# Altium PCB NUCLEOG431RB-Custom-IN-A2212.PcbDoc (part 3 of 5)
Units mm, origin at the board's own origin, x right, y up, seen from the top; angles counter-clockwise.
Board outline 170 x 108 mm, 4 copper layers (Top Layer, POWER1, POWER2, Bottom Layer), stack 1.746 mm thick; 529 components, 254 nets, 1242 pads, 583 vias.
Unrouted connection lines stored in the file: 26.
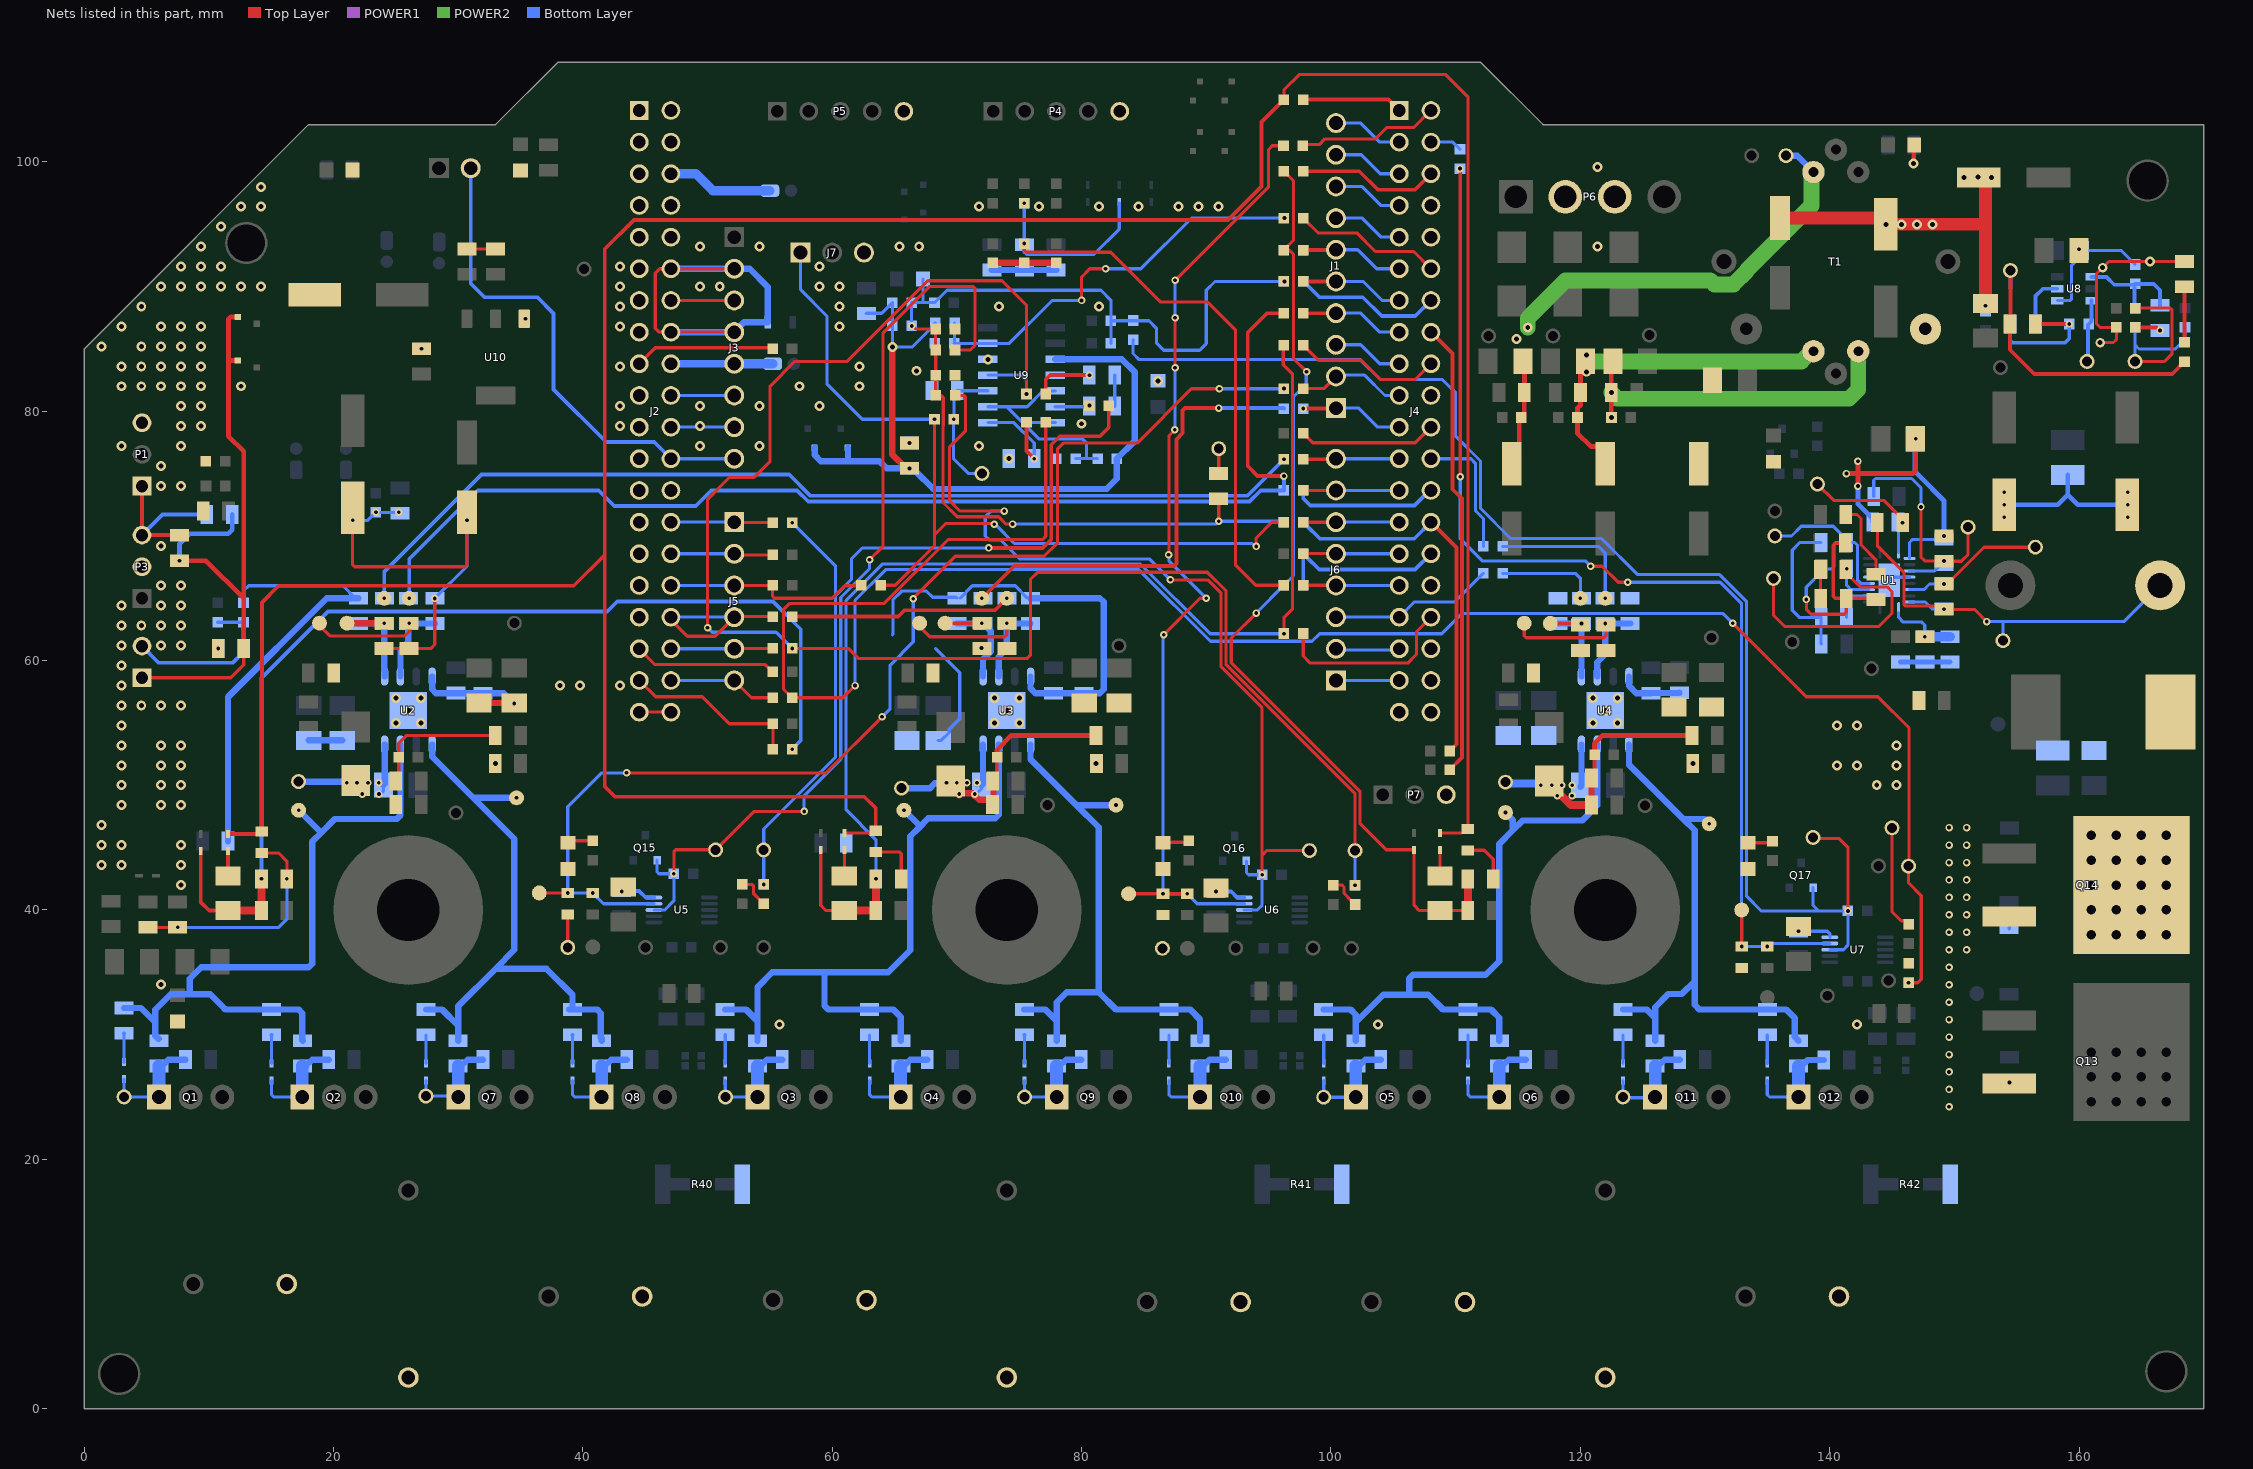
[diagram p5: the nets of this part, all layers, seen from the top]

## Via types
v1: diameter 0.6, hole 0.3, Top Layer to Bottom Layer, tented both sides, 389 vias
v2: diameter 0.8, hole 0.4, Top Layer to Bottom Layer, tented both sides, 190 vias
v3: diameter 1, hole 0.5, Top Layer to Bottom Layer, tented both sides, 2 vias
v4: diameter 0.762, hole 0.406, Top Layer to Bottom Layer, tented both sides, 2 vias

## Nets (pads, with @x,y where several pads share a name; then routed paths per layer and width w, separated by ;. In a path a pad name is that pad's centre, name@x,y a point inside that pad or via, vN(x,y) a via of type N, cw(c..) or ccw(c..) an arc to the next point about the centre after c; other vN are vias at no path point) (continued)
A_GND: C4.1 C5.1 C6.1 C7.1 C8.1 C9.1 C10.1 C11.1 C12.1 C13.2 C14.2 C15.2 C16.2 C17.2 C18.2 C19.2 C20.2 C21.1 C22.1 C24.1 C26.2 C27.1 C28.1 C29.2 C30.2 C31.2 C32.2 C33.2 C34.2 C42.1 C43.1 C44.1 C45.1 C46.1 C47.2 C52.2 C53.2 C54.2 C55.1 C57.2 C58.2 C59.2 C60.2 C61.2 C62.2 C63.2 C64.2 C67.1 C70.2 C71.2 C72.2 C73.2 C74.2 C75.2 C76.2 C77.2 C80.1 C83.2 C84.2 C85.2 C86.2 C87.2 C89.1 C90.2 C92.1 C93.2 C95.1 C96.2 C97.2 C98.1 C99.1 C100.1 C103.2 C104.2 C105.1 C106.2 C107.2 C108.2 C109.2 C110.1 C111.2 C112.2 C113.1 C114.2 C115.1 C116.2 C117.1 C118.1 C119.1 C120.2 C121.2 C122.1 C123.2 C124.2 C125.1 C133.2 C134.1 CT_U.1 CT_V.1 CT_W.1 J2.20 J2.22 J2.39 J2.40 J3.6 J3.7 J4.39 J4.40 J7.3 LED4.1 LED_3.3V.1 LED_5V.1 LED_15V.1 LED_60V.1 P1.3 P3.2 P4.5 P5.5 P6.2 P6.3 P7.3 PGD_LED.1 Q14.3 R40.2 R41.2 R42.2 R47.1 R60.1 R64.1 R66.1 R68.1 R75.1 R77.1 R79.2 R82.1 R84.2 R87.1 R89.2 R92.1 R94.1 R98.1 R102.1 R145.1 R146.1 R147.1 R148.1 R150.2 R162.1 R179.1 SB1.2 SB2.2 SB3.2 SB4.1 SB6.1 SB8.1 TP41.1 TP49.1 TP57.1 TP59.1 U1.6 U1.12 U1.15 U1.21 U2.4 U3.4 U4.4 U5.5 U6.5 U7.5 U8.1 U9.12 U10.1 | length 330.1
  Top Layer w0.254: R47.1@5.132,38.608 v1(7.5,38.608) ; SB1.2@14.25,44.568 15.596,44.568 16.256,43.907 v1(16.256,42.5) ; v1(21.532,71.25) 21.532,67.68 21.68,67.532 30.551,67.532 30.7,67.68 v1(30.7,71.25) ; R79.2@24.06,60.968 R82.1@26.068,60.968 27.797,60.968 28.121,61.292 v1(28.121,64.992) ; C124.2@27.053,85.016 v1(27.053,85.017) ; C122.1@30.7,93.016 C123.2@33,93.016 ; U10.1@35.3,87.42 35.389,87.42 v1(35.395,87.415) ; J2.39@44.52,55.87 J2.40@47.06,55.87 ; R94.1@52.792,42.05 53.545,42.05 53.694,41.901 53.694,41.306 C106.2@54.5,40.5 ; SB2.2@63.497,44.643 63.51,44.656 65.383,44.656 65.532,44.507 C17.2@65.532,42.5 ; v1(71.972,61.011) 71.986,60.998 71.986,60.982 R84.2@72,60.968 ; R98.1@100.175,41.992 100.901,41.992 101.05,41.843 101.05,41.329 101.639,40.74 C107.2@101.937,40.442 ; SB3.2@110.984,44.785 112.303,44.786 113.016,44.073 C18.2@113.016,42.5 ; TP57.1@145,46.594 145,39.856 145.719,39.136 146.059,39.136 R102.1@146.329,38.866 ; v1(149.171,70.002) 149.247,70.002 C34.2@149.252,69.997 ; v4(161.685,85.512) 162.762,85.512 163,85.75 R75.1@163,86.725 161.687,86.725 161.4,87.012 161.4,91.017 v4(161.9,91.516) 162.399,92.016 v2(165.682,92.016) C47.2@168.273,92.016
  Top Layer w0.305: TP41.1@38.786,37 38.789,37.003 SB4.1@38.789,39.643 ; C97.2@91,75.016 TP59.1@91,77
  Top Layer w0.381: v1(141.348,75) 142.265,75 ; v1(142.265,74) 142.265,75 ; v1(142.265,76) 142.265,75 ; C46.1@144,95.5 v2(144.5,95) ; v2(146.728,99.858) 146.753,99.883 146.753,101.333 LED_15V.1@146.778,101.358 ; v1(146.9,77.8) 146.9,75.223 146.677,75 142.265,75 ; C43.1@150.41,99.111 v2(150.757,98.764) ; C43.1@150.866,98.774 v2(151.9,98.774) C43.1@151.9,98.764 ; C43.1@151.95,98.75 C43.1@152.5,98.2 ; v1(152.5,88.459) C20.2@152.5,88.656 ; C19.2@159.997,92.9 159.997,92.997 v1(160,93) ; C47.2@167.89,92.333 168.207,92.016 C47.2@168.461,92.016
  Top Layer w0.508: C60.2@31.673,56.689 31.758,56.603 C58.2@34.5,56.603 ; R145.1@72.88,91.903 R146.1@75.407,91.903 R147.1@77.96,91.903
  Top Layer w1.016: C44.1@136,95.5 C46.1@144,95.5 ; v2(144.5,95) 152.5,95 ; C20.2@152.5,88.656 152.5,95 ; C43.1@152.5,98.2 152.5,95
  Bottom Layer w0.254: v1(7.5,38.608) 15.608,38.608 16.256,39.256 v1(16.256,42.5) ; R148.1@12.777,64.63 12.777,65.589 13.189,66 20.762,66 C55.1@21.746,65.016 ; v1(21.532,71.25) 22.756,71.25 v1(23.398,71.891) v1(25.24,71.891) ; v1(28.121,64.992) 30.7,67.571 v1(30.7,71.25) ; J2.22@47.06,78.73 J3.7@52.14,78.73 ; J2.20@47.06,81.27 J3.6@52.14,81.27 ; 64.82,62.065 64.86,62.104 64.86,64.86 65.579,65.579 67.562,65.579 68.063,65.078 69.938,65.078 C67.1@70,65.016 ; 68.294,60.968 70.224,59.038 70.224,55.327 69.389,54.492 69.389,54.238 68.754,53.603 C62.2@68.5,53.603 ; C67.1@70.254,65.016 71.238,66 74.681,66 75.041,65.64 75.041,65.626 75.651,65.016 C70.2@75.905,65.016 ; C110.1@82.657,80.406 C111.2@82.657,82.899 ; v1(137.5,38.297) 139.809,38.297 140.015,38.091 U7.5@140.015,37.814 ; R68.1@139.315,69.473 137.608,69.473 137,68.864 137,64.029 137.563,63.466 139.307,63.466 C32.2@139.319,63.454 139.319,61.346 R64.1@139.331,61.334 ; U1.6@143.155,66.695 144.53,66.695 U1.21@144.78,66.445 145.03,66.695 U1.15@146.405,66.695 ; U1.12@146.405,68.195 146.405,69.473 146.659,69.727 C33.2@149.171,69.727 ; R66.1@154.4,38.5 R66.1@154.4,38.584 ; U8.1@158.263,88.875 159.262,88.875 159.411,89.024 159.411,91.716 159.927,92.232 159.927,92.527 C42.1@160.2,92.8 ; C42.1@160.308,92.908 163.367,92.908 R77.1@164.5,91.775
  Bottom Layer w0.305: v1(43.108,41.484) C89.1@43.108,41.532 44.505,41.532 45.037,41 U5.5@45.7,41 ; C92.1@90.775,41.325 v1(90.775,41.474) 92,41.474 92.474,41 U6.5@93.05,41
  Bottom Layer w0.381: v1(142.265,74) 142.265,72.564 143.455,71.374 C26.2@143.455,71.12 ; R60.1@145.678,59.892 145.683,59.897 147.628,59.897 C24.1@147.633,59.902 ; C31.2@146.851,77.781 146.851,75.149 147.23,74.77 149.171,72.829 v1(149.171,70.002) ; C24.1@147.633,59.892 C134.1@149.668,59.892 ; v1(154,72.5) 158.3,72.5 159.1,73.3 ; C29.2@159.1,74.9 159.1,73.3 ; v1(163.904,72.5) 159.9,72.5 159.1,73.3
  Bottom Layer w0.508: C15.2@11.532,45.52 11.532,57.085 19.463,65.016 21.746,65.016 C55.1@22,65.016 ; C52.2@18,53.603 C53.2@20.699,53.603 ; U2.4@27.905,58.725 27.905,57.695 28.203,57.397 C61.2@29.823,57.397 C59.2@32,57.397 ; C59.2@32,57.397 33.658,57.397 v1(34.5,56.555) ; C98.1@72.804,91.338 C99.1@75.407,91.338 C100.1@77.96,91.338 ; U3.4@75.905,58.725 75.905,57.786 76.297,57.394 C72.2@77.734,57.394 C74.2@80.203,57.394 81.469,57.394 81.767,57.692 81.767,64.718 81.469,65.016 C70.2@75.905,65.016 ; U4.4@123.905,58.725 123.905,57.989 124.5,57.394 C87.2@125.657,57.394 125.667,57.404 127.953,57.404 C85.2@127.963,57.413
  other v1: 149.578,24.208 149.578,25.608 149.578,27.008 149.578,28.408 149.578,29.808 149.578,31.208 149.578,32.608 149.578,34.008 149.578,35.408 149.578,36.808 150.978,36.808 149.578,38.208 150.978,38.208 149.578,39.608 150.978,39.608 149.578,41.008 150.978,41.008 149.578,42.408 150.978,42.408 149.578,43.808 150.978,43.808 149.578,45.208 150.978,45.208 149.578,46.608 150.978,46.608 10.76,60.966 154,71.5 163.904,71.5 154,73.5 163.904,73.5 66.203,77.451
  other v2: 55.777,30.808 103.777,30.808 142.177,30.808 6.178,34.008 7.778,42.008 1.378,43.608 2.978,43.608 7.778,43.608 1.378,45.208 2.978,45.208 7.778,45.208 1.378,46.808 2.978,48.408 6.178,48.408 7.778,48.408 2.978,50.008 6.178,50.008 7.778,50.008 143.777,50.008 145.377,50.008 2.978,51.608 6.178,51.608 7.778,51.608 140.577,51.608 142.177,51.608 145.377,51.608 2.978,53.208 6.178,53.208 7.778,53.208 145.377,53.208 2.978,54.808 140.577,54.808 142.177,54.808 2.978,56.408 4.578,56.408 6.178,56.408 7.778,56.408 2.978,58.008 38.178,58.008 39.778,58.008 42.978,58.008 2.978,59.608 2.978,61.208 6.178,61.208 7.778,61.208 2.978,62.808 4.578,62.808 6.178,62.808 7.778,62.808 2.978,64.408 6.178,64.408 7.778,64.408 6.178,66.008 7.778,66.008 6.178,69.208 6.178,74.008 7.778,74.008 6.178,75.608 74.168,76.2 2.978,77.208 7.778,77.208 49.377,77.208 54.177,77.208 71.777,77.208 7.778,78.808 9.378,78.808 42.978,78.808 49.377,78.808 80,79 7.778,80.408 9.378,80.408 42.978,80.408 49.377,80.408 54.177,80.408 58.977,80.408 2.978,82.008 4.578,82.008 6.178,82.008 7.778,82.008 9.378,82.008 12.578,82.008 57.377,82.008 62.177,82.008 86.13,82.438 66.75,83.25 2.978,83.608 4.578,83.608 6.178,83.608 7.778,83.608 9.378,83.608 42.978,83.608 62.177,83.608 72.484,84.169 1.378,85.208 4.578,85.208 6.178,85.208 7.778,85.208 9.378,85.208 2.978,86.808 6.178,86.808 7.778,86.808 9.378,86.808 42.978,86.808 60.577,86.808 4.578,88.408 42.978,88.408 60.577,88.408 73.377,88.408 81.377,88.408 6.178,90.008 7.778,90.008 9.378,90.008 10.978,90.008 12.578,90.008 14.178,90.008 42.978,90.008 49.377,90.008 50.977,90.008 58.977,90.008 60.577,90.008 7.778,91.608 9.378,91.608 10.978,91.608 42.978,91.608 58.977,91.608 9.378,93.208 49.377,93.208 54.177,93.208 65.377,93.208 66.977,93.208 121.377,93.208 10.978,94.808 145.75,95 147,95 148.25,95 12.578,96.408 14.178,96.408 71.777,96.408 76.577,96.408 81.377,96.408 84.577,96.408 87.777,96.408 89.377,96.408 90.977,96.408 14.178,98.008 153,98.75 121.377,99.608
B+/H2: C99.2 D25.2 R116.2 R140.1 R143.1 R146.2 | length 58.1
  Top Layer w0.254: v1(75.407,93.453) 75.407,92.901 75.559,92.749 82.351,92.749 86.347,88.753 90.106,88.753 92.355,86.504 92.355,67.645 93.957,66.043 R116.2@96.225,66.043
  Bottom Layer w0.254: v1(75.407,96.686) v1(75.407,93.453) 75.407,92.757 75.58,92.583 80.991,92.583 83.022,94.614 D25.2@83.022,96.686
BEMF_U: C16.1 D14.2 R48.1 R51.2 R124.2 | length 84.7
  Top Layer w0.305: D14.2@9.341,44.845 9.341,40.64 10.031,39.95 R48.1@11.536,39.95
  Top Layer w0.635: R48.1@11.536,39.95 R51.2@14.224,39.95 v1(14.224,42.5)
  Bottom Layer w0.305: v1(14.224,42.5) 14.224,58.609 19.567,63.952 41.952,63.952 42.754,64.754 55.246,64.754 57.479,62.521 57.479,53.584 v1(56.785,52.89)
BEMF_V: C17.1 D16.2 R49.1 R52.2 R126.2 R127.2 | length 97.3
  Top Layer w0.254: D16.2@59.08,44.825 59.08,40.37 59.5,39.95 R49.1@60.976,39.95 ; v1(96.225,62.157) 96.225,63.445 96.929,64.15 96.929,82.97 96.176,83.723 96.176,85.256 R126.2@96.225,85.304
  Top Layer w0.635: R49.1@60.976,39.95 R52.2@63.484,39.95 63.5,39.966 v1(63.5,42.5)
  Bottom Layer w0.254: v1(63.5,42.5) 63.5,45.645 61.112,48.033 61.112,64.835 64.017,67.74 84.726,67.74 90.309,62.157 v1(96.225,62.157)
BEMF_W: C18.1 D18.2 R50.1 R53.2 R128.2 R129.2 R131.2 | length 77.5
  Top Layer w0.254: v1(94,63.813) 92,61.813 92,59.836 102.343,49.493 102.343,46.903 104.421,44.825 D18.2@106.666,44.825 106.666,40.38 107.096,39.95 R50.1@108.75,39.95 R53.2@110.984,39.95 ; R131.2@96.225,99.254 97,98.479 97,93.705 R128.2@96.225,92.93 96.653,92.93 97,92.583 97,84.222 v1(98.048,83.174)
  Top Layer w0.635: R53.2@110.984,39.95 C18.1@110.984,42.5
  Bottom Layer w0.254: v1(94,63.813) 94,63.818 R129.2@96.225,66.043 97,66.818 97,81.153 98.023,82.176 98.023,83.15 v1(98.048,83.174)
BKIN: C97.1 C109.1 C113.2 LED_BKIN.1 R112.2 R113.2 R114.2 R155.1 R156.1 R157.1 R158.1 R159.1 R168.1 R169.1 R170.1 | length 90.8
  Top Layer w0.254: v1(66.37,86.848) 66.464,86.848 66.71,86.602 C109.1@68.294,86.602 68.294,84.918 R156.1@68.299,84.913 C113.2@68.299,82.899 68.301,82.897 R157.1@68.301,81.272 68.735,81.272 68.909,81.098 68.909,78.82 68.884,78.795 68.884,72.682 70.022,71.545 73.344,71.545 73.938,70.951 v1(74.461,70.951) ; v1(91,71.18) C97.1@91,72.984
  Bottom Layer w0.254: v1(66.37,86.848) R155.1@66.37,88.719 67.287,88.719 ; LED_BKIN.1@67.278,90.608 67.278,88.728 67.287,88.719 ; v1(74.461,70.951) 90.771,70.951 v1(91,71.18) 96.155,71.18 R113.2@96.225,71.11 ; R169.1@82.351,85.449 R168.1@82.351,87.259 ; v1(96.275,90.414) 90.7,90.414 90,89.714 90,85.428 89.465,84.893 86.595,84.893 86,85.488 86,86.669 85.409,87.259 84.163,87.259 R158.1@84.143,87.279 84.122,87.259 R168.1@82.351,87.259 ; 67.287,88.719 R170.1@68.205,88.719 69.2,89.714 81.558,89.714 82.351,88.92 R168.1@82.351,87.259
CMP_ref: R160.1 R162.2 U9.5 U9.7 U9.9 | length 19.2
  Bottom Layer w0.254: U9.9@72.484,80.359 73.997,80.359 ; U9.7@77.884,79.089 75.267,79.089 ; U9.5@77.884,81.629 76.897,81.629 75.627,80.359 73.997,80.359 ; R162.2@79.515,76.2 80.397,76.2 ; R160.1@81.28,76.2 80.397,76.2 ; 73.997,80.359 75.267,79.089 ; 75.267,79.089 76.589,77.767 80.096,77.767 80.397,77.466 80.397,76.2
CMP_Supply: C120.1 C121.1 R155.2 R159.2 R160.2 R166.2 R187.1 SB25.1 SB26.1 U9.3 | length 64.5
  Top Layer w0.254: C120.1@65.929,75.419 v1(66.203,75.419)
  Top Layer w0.508: v2(64.82,85.143) 64.82,76.529 C120.1@65.929,75.419
  POWER1 w0.254: 66.203,75 v1(66.203,75.419)
  Bottom Layer w0.254: SB26.1@61.248,77.079 SB26.1@61.26,77.067 ; R187.1@62.728,87.842 62.744,87.858 63.959,87.858 R155.2@64.82,88.719 R159.2@64.82,86.848 64.82,85.739 v2(64.82,85.143) 66.393,85.143 67.964,86.714 67.964,86.782 R166.2@68.262,87.08
  Bottom Layer w0.508: SB25.1@58.585,77.067 58.585,76.498 59.083,76 61.26,76 ; SB26.1@61.26,77.067 61.26,76 ; U9.3@77.884,84.169 83.232,84.169 84.25,83.151 84.25,77.62 R160.2@82.83,76.2 82.83,74.58 82.022,73.772 68.104,73.772 66.711,75.165 66.457,75.419 v1(66.203,75.419) 64.375,75.419 63.795,76 61.26,76
CPOUT: C115.2 R119.2 R166.1 U9.13 | length 33.5
  Top Layer w0.254: v1(80,88.89) 80,90.772 80.658,91.43 v1(81.919,91.43) ; R119.2@96.225,95.494 v1(96.275,95.494)
  Bottom Layer w0.254: R166.1@69.812,87.08 69.812,85.487 C115.2@69.775,85.449 72.474,85.449 72.495,85.428 74.17,85.428 77.632,88.89 v1(80,88.89) ; v1(81.919,91.43) 84.752,91.43 88.816,95.494 v1(96.275,95.494)
CS_ALERT_U: Q15.1 R93.1 R156.2 TP37.1 U5.3 | length 76.3
  Top Layer w0.254: v1(47.295,42.9) 47.303,42.908 47.303,44.676 47.451,44.825 TP37.1@50.65,44.825 53.732,47.907 v1(57.747,47.907) ; v1(62.989,68.09) 64.079,69.18 64.079,86.303 67.777,90 71.315,90 71.463,89.851 71.463,85.304 71.072,84.913 R156.2@70.274,84.913 ; R156.2@69.849,84.913 70.274,84.913
  Bottom Layer w0.254: U5.3@45.7,40 46.56,40 47.295,40.735 v1(47.295,42.9) 46.099,42.9 45.95,43.049 Q15.1@45.95,44 ; v1(57.747,47.907) 57.747,49.173 60.676,52.101 60.676,65.065 62.989,67.377 v1(62.989,68.09)
CS_ALERT_V: Q16.1 R97.1 R157.2 TP45.1 U6.3 | length 72.7
  Top Layer w0.254: R157.2@69.851,81.272 70.546,81.272 70.695,81.123 70.695,78.426 69.415,77.145 69.415,72.82 70.235,72 v1(73.791,72) ; v1(87.122,66.48) 90.124,66.48 91.187,65.417 91.187,59.5 94.481,56.206 94.481,44.401 ; v1(94.481,42.822) 94.481,44.401 ; TP45.1@98.275,44.767 94.847,44.767 94.481,44.401
  Bottom Layer w0.254: v1(73.791,72) 72.742,72 72.272,71.53 72.272,70 72.587,69.684 73.497,69.684 75.018,68.163 85.439,68.163 v1(87.122,66.48) ; U6.3@93.05,40 94.094,40 94.481,40.387 v1(94.481,42.822) 93.404,42.822 93.225,43 Q16.1@93.225,43.942
CS_ALERT_W: Q17.1 R101.1 R158.2 TP53.1 U7.3 | length 109.7
  Top Layer w0.254: TP53.1@138.671,45.816 138.762,45.725 140.773,45.725 141.465,45.032 v1(141.465,39.923)
  Bottom Layer w0.254: R158.2@84.143,85.729 84.123,85.71 84.123,84.63 84.609,84.144 102.356,84.144 103.951,82.549 108.939,82.549 110,81.488 110,78 111.991,76.009 111.991,72.209 114.4,69.8 121.7,69.8 124.6,66.9 131.175,66.9 133.342,64.733 133.342,41.088 134.506,39.923 139.111,39.923 ; Q17.1@138.671,41.794 138.671,40.363 139.111,39.923 ; U7.3@140.015,36.814 141.111,36.814 141.465,37.168 v1(141.465,39.923) 139.111,39.923
CS_RESET_U: R180.2 SB4.2 SB5.2 TP40.1 U5.4 | length 96.3
  Top Layer w0.254: TP40.1@36.5,41.366 36.506,41.36 SB4.2@38.786,41.36 ; v1(43.5,51) 59.5,51 v1(64,55.5) ; v1(66.5,64.972) 66.5,65 69.867,68.367 76.988,68.367 78.08,69.459 78.08,76.989 78.541,77.45 84.45,77.45 88.806,81.806 v1(91.056,81.806)
  Bottom Layer w0.254: v1(43.5,51) 41.5,51 38.786,48.286 v1(38.786,41.366) 40.788,41.366 v1(40.797,41.357) 41.654,40.5 U5.4@45.7,40.5 ; v1(64,55.5) 64.643,56.143 64.643,59.643 66.5,61.5 v1(66.5,64.972) ; v1(91.056,81.806) 91.063,81.814 96.217,81.814 v1(96.225,81.821)
CS_RESET_V: R181.2 SB6.2 SB7.2 TP48.1 U6.4 | length 78.9
  Top Layer w0.254: TP48.1@83.775,41.299 v1(86.525,41.299) v1(88.48,41.299) ; v1(86.581,62.081) 89.5,65 v1(90,65) ; v1(86.972,68.5) 87,68.528 87,78.021 87.472,78.493 v1(87.472,78.511) ; v1(87.5,83.5) v1(87.5,87.5) ; v1(87.5,90.5) 95,98 95,101 95.297,101.297 R181.2@96.192,101.297
  Bottom Layer w0.254: v1(86.581,62.081) 86.525,62.025 v1(86.525,41.299) v1(88.48,41.299) 89.28,40.5 U6.4@93.05,40.5 ; v1(86.972,68.5) 87,68.472 87,68 v1(90,65) ; v1(87.472,78.511) 87.486,78.525 87.486,83.486 v1(87.5,83.5) ; v1(87.5,87.5) v1(87.5,90.5)
CS_RESET_W: R182.2 SB8.2 SB9.2 TP56.1 U7.4 | length 92
  Top Layer w0.254: v1(110.35,99.464) 110.377,99.437 v1(110.377,74.749) ; v1(120.823,67.574) 121.743,67.574 123.034,66.284 v1(123.796,66.284) ; v1(132.945,37.066) TP56.1@132.945,40
  Bottom Layer w0.254: v1(110.377,74.749) 110.377,69.765 112.142,68 120.397,68 v1(120.823,67.574) ; v1(123.796,66.284) 131.216,66.284 132.935,64.565 132.935,37.076 v1(132.945,37.066) v1(135,37.066) ; v1@135.028,37.066 135.276,37.313 U7.4@140.015,37.314
Curr_fdbk1: C106.1 R118.2 R152.2 R161.1 TP39.1 | length 67.5
  Top Layer w0.305: v1(72.556,69.037) 76.874,69.037 77.562,69.725 77.562,77.319 78.243,78 81.467,78 82.179,78.712 R161.1@82.179,80.446
  Bottom Layer w0.254: TP39.1@54.5,44.825 54.5,46.5 60.27,52.27 60.27,65.249 ; v1(56.785,71.068) 60.27,67.583 60.27,65.249 ; v1(72.556,69.037) 62.418,69.037 61.545,68.164 61.545,66.524 60.27,65.249
  Bottom Layer w0.305: v1(54.5,42.05) TP39.1@54.5,44.825
Curr_fdbk2: C107.1 R120.2 R153.2 R163.1 TP47.1 U9.11 | length 136.5
  Top Layer w0.254: v1(50,62.644) 50,72.935 51.759,74.695 53.729,74.695 55.017,75.983 55.017,82.017 57,84 61.202,84 67.671,90.469 73.616,90.469 75.58,88.506 v1(75.58,81.388) ; v1(56.785,60.982) 61.275,60.982 62.077,60.181 75.647,60.181 75.891,60.424 75.891,66.51 76.468,67.087 90.092,67.087 91.594,65.585 91.594,59.668 101.937,49.325 TP47.1@101.937,44.757
  Bottom Layer w0.254: v1(50,62.644) 50.371,62.273 55.495,62.273 v1(56.785,60.982) ; U9.11@72.484,82.899 75.184,82.899 75.58,82.503 v1(75.58,81.388) ; R153.2@101.921,41.992 101.921,44.742 TP47.1@101.937,44.757
  other v1: 101.937,41.992
Curr_fdbk3: C108.1 R122.2 R154.2 R165.1 TP55.1 | length 166.6
  Top Layer w0.254: v1(61.827,58) 60.849,57.022 R122.2@56.785,57.022 56.081,57.726 56.081,64.073 56.602,64.594 64.168,64.594 69.282,69.708 76.861,69.708 77.13,69.977 R165.1@77.13,79.113 ; v1(132.23,63) 138.122,57.108 143.867,57.108 146.367,54.608 146.367,43.55 TP55.1@146.329,43.512 146.329,42.164 147.34,41.154 147.34,34.449 147.053,34.162 C108.1@146.348,34.162 146.336,34.173 v1(146.329,34.173)
  Bottom Layer w0.254: v1(61.827,58) 61.827,64.829 64.298,67.3 84.591,67.3 90.341,61.55 98.48,61.55 99.092,62.162 108.887,62.162 110.497,63.771 131.459,63.771 v1(132.23,63)
"CURRENT REF": J7.1 R130.2 R132.2 R167.1 | length 67.3
  Top Layer w0.254: R130.2@63.89,66.042 65.042,66.042 68.205,69.205 68.205,70.102 ; v1(68.205,79.361) 68.205,70.102 ; v1(73,70.938) 72.938,71 69.102,71 68.205,70.102 ; v1(94,69.162) 94,69.839 95.261,71.1 R132.2@96.225,71.1
  Bottom Layer w0.254: J7.1@57.46,92.729 57.46,89.755 59.573,87.643 59.573,82.208 62.42,79.361 v1(68.205,79.361) ; v1(73,70.938) 73.063,70.938 74.608,69.392 93.678,69.392 93.909,69.162 v1(94,69.162)
G_U_HO: R1.1 R2.1 R7.1 R8.1 TP15.1 U2.7 | length 58.1
  Bottom Layer w0.508: R1.1@3.192,32.133 4.562,32.133 5.695,31 ; R7.1@5.989,29.662 5.949,29.662 5.695,29.916 5.695,31 ; v1(17.202,48) 18.999,46.203 ; R8.1@17.525,29.524 17.5,29.549 17.5,31.718 17.202,32.016 R2.1@15.025,32.016 11.334,32.016 11.081,32.269 10.1,33.25 8.478,33.25 ; U2.7@25.365,53.275 25.365,49.633 25.374,49.624 25.374,47.595 25.077,47.298 20.094,47.298 18.999,46.203 ; 5.695,31 5.695,31.994 6.951,33.25 8.478,33.25 ; 8.478,33.25 8.478,34.478 9.4,35.4 17.989,35.4 18.287,35.698 18.287,45.49 18.999,46.203
G_U_HSig: R80.1 R105.2 TP9.1 | length 79.5
  Top Layer w0.508: v1(24.06,65) TP9.1@24.079,65
  Bottom Layer w0.305: v1(24.06,65) 24.06,67.121 31.866,74.926 56.55,74.926 58.258,73.218 93.286,73.218 v1(96.225,76.158)
G_U_LO: R19.1 R20.1 R25.1 R26.1 TP16.1 U2.5 | length 48
  Bottom Layer w0.508: R19.1@27.42,32.016 28.698,32.016 30,30.714 ; U2.5@27.905,53.275 27.905,52.295 31.25,48.95 ; R25.1@30,29.524 30,30.714 ; v1(34.68,49) 31.3,49 31.25,48.95 ; R20.1@38.916,32.016 41.144,32.016 41.442,31.718 41.442,29.778 41.5,29.72 R26.1@41.5,29.524 ; R20.1@39.17,32.016 39.17,33.203 37.075,35.298 33,35.298 ; 30,30.714 30,32.298 33,35.298 ; 31.25,48.95 34.5,45.7 34.5,36.798 33,35.298
G_U_LSig: R81.1 R106.2 R107.2 TP14.1 | length 96.1
  Top Layer w0.305: R106.2@96.225,87.859 94.859,87.859 93.321,86.322 93.321,75.6 94.116,74.805 v1@96.226,74.805
  Top Layer w0.508: TP14.1@26.016,65 v1(26.068,65)
  Bottom Layer w0.305: v1(26.068,65) 26.068,68.149 31.57,73.65 41.266,73.65 42.514,72.402 49.052,72.402 50.3,73.65 57.18,73.65 58.069,72.761 93.475,72.761 94.364,73.65 R107.2@96.225,73.65 v1@96.225,74.803
  other v1: 96.225,74.805
G_V_HO: R3.1 R4.1 R9.1 R10.1 TP24.1 U3.7 | length 56.3
  Bottom Layer w0.508: R3.1@51.414,32.016 53.084,32.016 54,31.1 ; R9.1@54,29.524 54,31.1 ; R10.1@65.5,29.524 65.5,31.416 64.9,32.016 R4.1@63,32.016 59.675,32.016 59.378,32.314 59.378,35 ; v1(65.754,48) 66.926,46.828 66.926,46.574 ; U3.7@73.365,53.275 73.365,49.601 73.365,47.649 73.067,47.351 67.702,47.351 66.926,46.574 ; 54,31.1 54,33.817 55.183,35 59.378,35 ; 59.378,35 64.5,35 66.262,36.762 66.262,45.911 66.926,46.574
G_V_HSig: R85.1 R108.2 TP18.1 | length 37.5